# KiCad board demomatrix.kicad_pcb (continued)
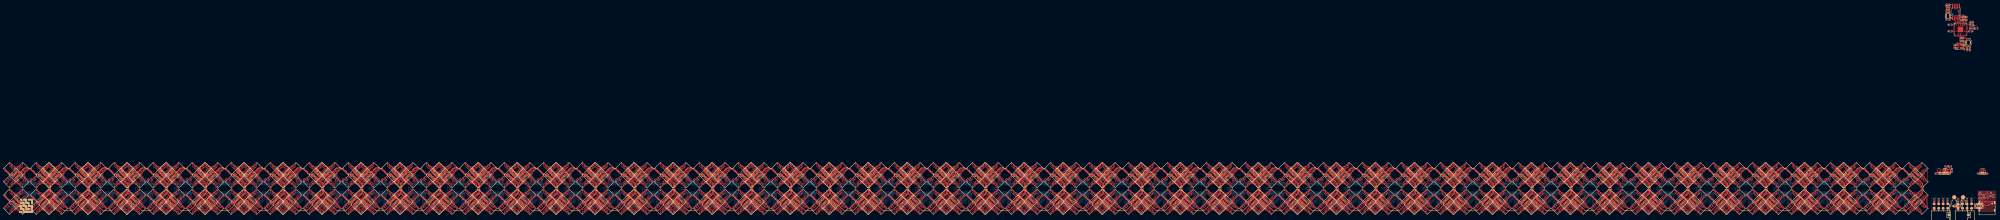
[diagram p0: board, top side]
## Routing (per net, layer and track width the routed paths; a pad name or vN(x,y) marks a point on that pad's centre or on a via; arc(x,y) is an arc through that point) (continued)
rgbs[2]-anodes-anode-128: length 9.5
  Top w0.2: LED274.3 -898.07,23.22 -898.42,23.22 -898.43,23.22 -899.07,23.22 -900.55,21.75 -900.55,21.5 -899.87,20.82 -899.87,20.36 -900.55,19.69 -900.55,19.44 -898.88,17.77 -898.26,17.77 LED275.4
rgbs[2]-anodes-anode-129: length 12.3
  Top w0.2: -897.51,17.12 -898.79,17.12 -900.95,19.28 -900.95,19.86 -900.27,20.53 -900.27,20.66 -900.95,21.33 -900.95,21.91 -898.78,24.08 -897.23,24.08 LED274.1
rgbs[2]-anodes-anode-130: length 3.7
  Top w0.2: LED275.6 -898.72,19.02 -898.72,20.02 -899.07,20.37 -899.07,20.81 -898.72,21.16 -898.72,22.18 LED274.5
rgbs[2]-anodes-anode-131: length 1.8
  Top w0.2: LED275.8 -899.47,19.96 -899.47,21.23 LED274.7
rgbs[2]-anodes-anode-132: length 9.5
  Top w0.2: LED278.3 -883.07,23.22 -883.42,23.22 -883.43,23.22 -884.07,23.22 -885.55,21.75 -885.55,21.5 -884.87,20.82 -884.87,20.36 -885.55,19.69 -885.55,19.44 -883.88,17.77 -883.26,17.77 LED279.4
rgbs[2]-anodes-anode-133: length 19.4
  Top w0.2: -882.51,17.12 -883.79,17.12 -885.95,19.28 -885.95,19.86 -885.27,20.53 -885.27,20.66 -885.95,21.33 -885.95,21.91 -883.78,24.08 -882.23,24.08 LED278.1 -881.73,23.58 -881.73,17.61 LED279.2
rgbs[2]-anodes-anode-134: length 3.7
  Top w0.2: LED278.5 -883.72,22.18 -883.72,21.16 -884.07,20.81 -884.07,20.37 -883.72,20.02 -883.72,19.02 LED279.6
rgbs[2]-anodes-anode-135: length 1.8
  Top w0.2: LED278.7 -884.47,21.23 -884.47,19.96 LED279.8
rgbs[2]-anodes-anode-136: length 9.5
  Top w0.2: LED283.4 -898.26,2.77 -898.88,2.77 -900.55,4.44 -900.55,4.69 -899.87,5.36 -899.87,5.82 -900.55,6.5 -900.55,6.75 -899.07,8.22 -898.43,8.22 -898.42,8.22 -898.07,8.22 LED282.3
rgbs[2]-anodes-anode-137: length 12.3
  Top w0.2: -897.51,2.12 -898.79,2.12 -900.95,4.28 -900.95,4.86 -900.27,5.53 -900.27,5.66 -900.95,6.33 -900.95,6.91 -898.78,9.08 -897.23,9.08 LED282.1
rgbs[2]-anodes-anode-138: length 3.7
  Top w0.2: LED283.6 -898.72,4.02 -898.72,5.02 -899.07,5.37 -899.07,5.81 -898.72,6.16 -898.72,7.18 LED282.5
rgbs[2]-anodes-anode-139: length 1.8
  Top w0.2: LED283.8 -899.47,4.96 -899.47,6.23 LED282.7
rgbs[2]-anodes-anode-140: length 14.9
  Top w0.2: -884.07,8.22 -883.43,8.22 -883.42,8.22 -883.07,8.22 LED286.3 -882.58,7.73 -882.58,3.46 LED287.4 -883.26,2.77 -883.88,2.77 -885.55,4.44 -885.55,4.69 -884.87,5.36 -884.87,5.82 -885.55,6.5 -885.55,6.75 -884.07,8.22
rgbs[2]-anodes-anode-141: length 19.4
  Top w0.2: LED287.2 -881.73,2.61 -881.73,8.58 LED286.1 -882.23,9.08 -883.78,9.08 -885.95,6.91 -885.95,6.33 -885.27,5.66 -885.27,5.53 -885.95,4.86 -885.95,4.28 -883.79,2.12 -882.51,2.12
rgbs[2]-anodes-anode-142: length 3.7
  Top w0.2: LED286.5 -883.72,7.18 -883.72,6.16 -884.07,5.81 -884.07,5.37 -883.72,5.02 -883.72,4.02 LED287.6
rgbs[2]-anodes-anode-143: length 1.8
  Top w0.2: LED286.7 -884.47,6.23 -884.47,4.96 LED287.8
rgbs[2]-anodes-anode-144: length 9.5
  Top w0.2: LED290.3 -876.07,23.22 -876.42,23.22 -876.43,23.22 -877.07,23.22 -878.55,21.75 -878.55,21.5 -877.87,20.82 -877.87,20.36 -878.55,19.69 -878.55,19.44 -876.88,17.77 -876.26,17.77 LED291.4
rgbs[2]-anodes-anode-145: length 12.3
  Top w0.2: LED290.1 -875.23,24.08 -876.78,24.08 -878.95,21.91 -878.95,21.33 -878.27,20.66 -878.27,20.53 -878.95,19.86 -878.95,19.28 -876.79,17.12 -875.51,17.12
rgbs[2]-anodes-anode-146: length 3.7
  Top w0.2: LED290.5 -876.72,22.18 -876.72,21.16 -877.07,20.81 -877.07,20.37 -876.72,20.02 -876.72,19.02 LED291.6
rgbs[2]-anodes-anode-147: length 1.8
  Top w0.2: LED291.8 -877.47,19.96 -877.47,21.23 LED290.7
rgbs[2]-anodes-anode-148: length 9.5
  Top w0.2: LED295.4 -861.26,17.77 -861.88,17.77 -863.55,19.44 -863.55,19.69 -862.87,20.36 -862.87,20.82 -863.55,21.5 -863.55,21.75 -862.07,23.22 -861.43,23.22 -861.42,23.22 -861.07,23.22 LED294.3
rgbs[2]-anodes-anode-149: length 19.4
  Top w0.2: -860.51,17.12 -861.79,17.12 -863.95,19.28 -863.95,19.86 -863.27,20.53 -863.27,20.66 -863.95,21.33 -863.95,21.91 -861.78,24.08 -860.23,24.08 LED294.1 -859.73,23.58 -859.73,17.61 LED295.2
rgbs[2]-anodes-anode-150: length 3.7
  Top w0.2: LED295.6 -861.72,19.02 -861.72,20.02 -862.07,20.37 -862.07,20.81 -861.72,21.16 -861.72,22.18 LED294.5
rgbs[2]-anodes-anode-151: length 1.8
  Top w0.2: LED294.7 -862.47,21.23 -862.47,19.96 LED295.8
rgbs[2]-anodes-anode-152: length 9.5
  Top w0.2: LED298.3 -876.07,8.22 -876.42,8.22 -876.43,8.22 -877.07,8.22 -878.55,6.75 -878.55,6.5 -877.87,5.82 -877.87,5.36 -878.55,4.69 -878.55,4.44 -876.88,2.77 -876.26,2.77 LED299.4
rgbs[2]-anodes-anode-153: length 12.3
  Top w0.2: -875.51,2.12 -876.79,2.12 -878.95,4.28 -878.95,4.86 -878.27,5.53 -878.27,5.66 -878.95,6.33 -878.95,6.91 -876.78,9.08 -875.23,9.08 LED298.1
rgbs[2]-anodes-anode-154: length 3.7
  Top w0.2: LED298.5 -876.72,7.18 -876.72,6.16 -877.07,5.81 -877.07,5.37 -876.72,5.02 -876.72,4.02 LED299.6
rgbs[2]-anodes-anode-155: length 1.8
  Top w0.2: LED298.7 -877.47,6.23 -877.47,4.96 LED299.8
rgbs[2]-anodes-anode-156: length 14.9
  Top w0.2: -863.55,4.69 -862.87,5.36 -862.87,5.82 -863.55,6.5 -863.55,6.75 -862.07,8.22 -861.43,8.22 -861.42,8.22 -861.07,8.22 LED302.3 -860.58,7.73 -860.58,3.46 LED303.4 -861.26,2.77 -861.88,2.77 -863.55,4.44 -863.55,4.69
rgbs[2]-anodes-anode-157: length 19.4
  Top w0.2: -860.51,2.12 -861.79,2.12 -863.95,4.28 -863.95,4.86 -863.27,5.53 -863.27,5.66 -863.95,6.33 -863.95,6.91 -861.78,9.08 -860.23,9.08 LED302.1 -859.73,8.58 -859.73,2.61 LED303.2
rgbs[2]-anodes-anode-158: length 3.7
  Top w0.2: LED302.5 -861.72,7.18 -861.72,6.16 -862.07,5.81 -862.07,5.37 -861.72,5.02 -861.72,4.02 LED303.6
rgbs[2]-anodes-anode-159: length 1.8
  Top w0.2: LED302.7 -862.47,6.23 -862.47,4.96 LED303.8
rgbs[2]-anodes-anode-160: length 9.5
  Top w0.2: LED306.3 -854.07,23.22 -854.42,23.22 -854.43,23.22 -855.07,23.22 -856.55,21.75 -856.55,21.5 -855.87,20.82 -855.87,20.36 -856.55,19.69 -856.55,19.44 -854.88,17.77 -854.26,17.77 LED307.4
rgbs[2]-anodes-anode-161: length 12.3
  Top w0.2: LED306.1 -853.23,24.08 -854.78,24.08 -856.95,21.91 -856.95,21.33 -856.27,20.66 -856.27,20.53 -856.95,19.86 -856.95,19.28 -854.79,17.12 -853.51,17.12
rgbs[2]-anodes-anode-162: length 3.7
  Top w0.2: LED307.6 -854.72,19.02 -854.72,20.02 -855.07,20.37 -855.07,20.81 -854.72,21.16 -854.72,22.18 LED306.5
rgbs[2]-anodes-anode-163: length 1.8
  Top w0.2: LED307.8 -855.47,19.96 -855.47,21.23 LED306.7
rgbs[2]-anodes-anode-164: length 9.5
  Top w0.2: LED311.4 -839.26,17.77 -839.88,17.77 -841.55,19.44 -841.55,19.69 -840.87,20.36 -840.87,20.82 -841.55,21.5 -841.55,21.75 -840.07,23.22 -839.43,23.22 -839.42,23.22 -839.07,23.22 LED310.3
rgbs[2]-anodes-anode-165: length 19.4
  Top w0.2: LED311.2 -837.73,17.61 -837.73,23.58 LED310.1 -838.23,24.08 -839.78,24.08 -841.95,21.91 -841.95,21.33 -841.27,20.66 -841.27,20.53 -841.95,19.86 -841.95,19.28 -839.79,17.12 -838.51,17.12
rgbs[2]-anodes-anode-166: length 3.7
  Top w0.2: LED311.6 -839.72,19.02 -839.72,20.02 -840.07,20.37 -840.07,20.81 -839.72,21.16 -839.72,22.18 LED310.5
rgbs[2]-anodes-anode-167: length 1.8
  Top w0.2: LED311.8 -840.47,19.96 -840.47,21.23 LED310.7
rgbs[2]-anodes-anode-168: length 9.5
  Top w0.2: LED314.3 -854.07,8.22 -854.42,8.22 -854.43,8.22 -855.07,8.22 -856.55,6.75 -856.55,6.5 -855.87,5.82 -855.87,5.36 -856.55,4.69 -856.55,4.44 -854.88,2.77 -854.26,2.77 LED315.4
rgbs[2]-anodes-anode-169: length 12.3
  Top w0.2: LED314.1 -853.23,9.08 -854.78,9.08 -856.95,6.91 -856.95,6.33 -856.27,5.66 -856.27,5.53 -856.95,4.86 -856.95,4.28 -854.79,2.12 -853.51,2.12
rgbs[2]-anodes-anode-170: length 3.7
  Top w0.2: LED315.6 -854.72,4.02 -854.72,5.02 -855.07,5.37 -855.07,5.81 -854.72,6.16 -854.72,7.18 LED314.5
rgbs[2]-anodes-anode-171: length 1.8
  Top w0.2: LED314.7 -855.47,6.23 -855.47,4.96 LED315.8
rgbs[2]-anodes-anode-172: length 14.9
  Top w0.2: -839.07,8.22 LED318.3 -838.58,7.73 -838.58,3.46 LED319.4 -839.26,2.77 -839.88,2.77 -841.55,4.44 -841.55,4.69 -840.87,5.36 -840.87,5.82 -841.55,6.5 -841.55,6.75 -840.07,8.22 -839.43,8.22 -839.42,8.22 -839.07,8.22
rgbs[2]-anodes-anode-173: length 19.4
  Top w0.2: -838.51,2.12 -839.79,2.12 -841.95,4.28 -841.95,4.86 -841.27,5.53 -841.27,5.66 -841.95,6.33 -841.95,6.91 -839.78,9.08 -838.23,9.08 LED318.1 -837.73,8.58 -837.73,2.61 LED319.2
rgbs[2]-anodes-anode-174: length 3.7
  Top w0.2: LED319.6 -839.72,4.02 -839.72,5.02 -840.07,5.37 -840.07,5.81 -839.72,6.16 -839.72,7.18 LED318.5
rgbs[2]-anodes-anode-175: length 1.8
  Top w0.2: LED319.8 -840.47,4.96 -840.47,6.23 LED318.7
rgbs[2]-anodes-anode-176: length 9.5
  Top w0.2: LED18.3 -832.07,23.22 -832.42,23.22 -832.43,23.22 -833.07,23.22 -834.55,21.75 -834.55,21.5 -833.87,20.82 -833.87,20.36 -834.55,19.69 -834.55,19.44 -832.88,17.77 -832.26,17.77 LED19.4
rgbs[2]-anodes-anode-177: length 12.3
  Top w0.2: -831.51,17.12 -832.79,17.12 -834.95,19.28 -834.95,19.86 -834.27,20.53 -834.27,20.66 -834.95,21.33 -834.95,21.91 -832.78,24.08 -831.23,24.08 LED18.1
rgbs[2]-anodes-anode-178: length 3.7
  Top w0.2: LED19.6 -832.72,19.02 -832.72,20.02 -833.07,20.37 -833.07,20.81 -832.72,21.16 -832.72,22.18 LED18.5
rgbs[2]-anodes-anode-179: length 1.8
  Top w0.2: LED19.8 -833.47,19.96 -833.47,21.23 LED18.7
rgbs[2]-anodes-anode-180: length 9.5
  Top w0.2: LED23.4 -817.26,17.77 -817.88,17.77 -819.55,19.44 -819.55,19.69 -818.87,20.36 -818.87,20.82 -819.55,21.5 -819.55,21.75 -818.07,23.22 -817.43,23.22 -817.42,23.22 -817.07,23.22 LED22.3
rgbs[2]-anodes-anode-181: length 19.4
  Top w0.2: LED23.2 -815.73,17.61 -815.73,23.58 LED22.1 -816.23,24.08 -817.78,24.08 -819.95,21.91 -819.95,21.33 -819.27,20.66 -819.27,20.53 -819.95,19.86 -819.95,19.28 -817.79,17.12 -816.51,17.12
rgbs[2]-anodes-anode-182: length 3.7
  Top w0.2: LED22.5 -817.72,22.18 -817.72,21.16 -818.07,20.81 -818.07,20.37 -817.72,20.02 -817.72,19.02 LED23.6
rgbs[2]-anodes-anode-183: length 1.8
  Top w0.2: LED23.8 -818.47,19.96 -818.47,21.23 LED22.7
rgbs[2]-anodes-anode-184: length 9.5
  Top w0.2: LED27.4 -832.26,2.77 -832.88,2.77 -834.55,4.44 -834.55,4.69 -833.87,5.36 -833.87,5.82 -834.55,6.5 -834.55,6.75 -833.07,8.22 -832.43,8.22 -832.42,8.22 -832.07,8.22 LED26.3
rgbs[2]-anodes-anode-185: length 12.3
  Top w0.2: -831.51,2.12 -832.79,2.12 -834.95,4.28 -834.95,4.86 -834.27,5.53 -834.27,5.66 -834.95,6.33 -834.95,6.91 -832.78,9.08 -831.23,9.08 LED26.1
rgbs[2]-anodes-anode-186: length 3.7
  Top w0.2: LED26.5 -832.72,7.18 -832.72,6.16 -833.07,5.81 -833.07,5.37 -832.72,5.02 -832.72,4.02 LED27.6
rgbs[2]-anodes-anode-187: length 1.8
  Top w0.2: LED26.7 -833.47,6.23 -833.47,4.96 LED27.8
rgbs[2]-anodes-anode-188: length 14.9
  Top w0.2: -818.07,8.22 -817.43,8.22 -817.42,8.22 -817.07,8.22 LED30.3 -816.58,7.73 -816.58,3.46 LED31.4 -817.26,2.77 -817.88,2.77 -819.55,4.44 -819.55,4.69 -818.87,5.36 -818.87,5.82 -819.55,6.5 -819.55,6.75 -818.07,8.22
rgbs[2]-anodes-anode-189: length 19.4
  Top w0.2: LED31.2 -815.73,2.61 -815.73,8.58 LED30.1 -816.23,9.08 -817.78,9.08 -819.95,6.91 -819.95,6.33 -819.27,5.66 -819.27,5.53 -819.95,4.86 -819.95,4.28 -817.79,2.12 -816.51,2.12
rgbs[2]-anodes-anode-190: length 3.7
  Top w0.2: LED30.5 -817.72,7.18 -817.72,6.16 -818.07,5.81 -818.07,5.37 -817.72,5.02 -817.72,4.02 LED31.6
rgbs[2]-anodes-anode-191: length 1.8
  Top w0.2: LED30.7 -818.47,6.23 -818.47,4.96 LED31.8
rgbs[2]-anodes-anode-192: length 9.5
  Top w0.2: LED322.3 -810.07,23.22 -810.42,23.22 -810.43,23.22 -811.07,23.22 -812.55,21.75 -812.55,21.5 -811.87,20.82 -811.87,20.36 -812.55,19.69 -812.55,19.44 -810.88,17.77 -810.26,17.77 LED323.4
rgbs[2]-anodes-anode-193: length 12.3
  Top w0.2: -809.51,17.12 -810.79,17.12 -812.95,19.28 -812.95,19.86 -812.27,20.53 -812.27,20.66 -812.95,21.33 -812.95,21.91 -810.78,24.08 -809.23,24.08 LED322.1
rgbs[2]-anodes-anode-194: length 3.7
  Top w0.2: LED322.5 -810.72,22.18 -810.72,21.16 -811.07,20.81 -811.07,20.37 -810.72,20.02 -810.72,19.02 LED323.6
rgbs[2]-anodes-anode-195: length 1.8
  Top w0.2: LED323.8 -811.47,19.96 -811.47,21.23 LED322.7
rgbs[2]-anodes-anode-196: length 9.5
  Top w0.2: LED326.3 -795.07,23.22 -795.42,23.22 -795.43,23.22 -796.07,23.22 -797.55,21.75 -797.55,21.5 -796.87,20.82 -796.87,20.36 -797.55,19.69 -797.55,19.44 -795.88,17.77 -795.26,17.77 LED327.4
rgbs[2]-anodes-anode-197: length 19.4
  Top w0.2: -794.51,17.12 -795.79,17.12 -797.95,19.28 -797.95,19.86 -797.27,20.53 -797.27,20.66 -797.95,21.33 -797.95,21.91 -795.78,24.08 -794.23,24.08 LED326.1 -793.73,23.58 -793.73,17.61 LED327.2
rgbs[2]-anodes-anode-198: length 3.7
  Top w0.2: LED326.5 -795.72,22.18 -795.72,21.16 -796.07,20.81 -796.07,20.37 -795.72,20.02 -795.72,19.02 LED327.6
rgbs[2]-anodes-anode-199: length 1.8
  Top w0.2: LED326.7 -796.47,21.23 -796.47,19.96 LED327.8
rgbs[2]-anodes-anode-200: length 9.5
  Top w0.2: LED330.3 -810.07,8.22 -810.42,8.22 -810.43,8.22 -811.07,8.22 -812.55,6.75 -812.55,6.5 -811.87,5.82 -811.87,5.36 -812.55,4.69 -812.55,4.44 -810.88,2.77 -810.26,2.77 LED331.4
rgbs[2]-anodes-anode-201: length 12.3
  Top w0.2: -809.51,2.12 -810.79,2.12 -812.95,4.28 -812.95,4.86 -812.27,5.53 -812.27,5.66 -812.95,6.33 -812.95,6.91 -810.78,9.08 -809.23,9.08 LED330.1
rgbs[2]-anodes-anode-202: length 3.7
  Top w0.2: LED330.5 -810.72,7.18 -810.72,6.16 -811.07,5.81 -811.07,5.37 -810.72,5.02 -810.72,4.02 LED331.6
rgbs[2]-anodes-anode-203: length 1.8
  Top w0.2: LED331.8 -811.47,4.96 -811.47,6.23 LED330.7
rgbs[2]-anodes-anode-204: length 14.9
  Top w0.2: -796.87,5.36 -796.87,5.82 -797.55,6.5 -797.55,6.75 -796.07,8.22 -795.43,8.22 -795.42,8.22 -795.07,8.22 LED334.3 -794.58,7.73 -794.58,3.46 LED335.4 -795.26,2.77 -795.88,2.77 -797.55,4.44 -797.55,4.69 -796.87,5.36
rgbs[2]-anodes-anode-205: length 19.4
  Top w0.2: -794.51,2.12 -795.79,2.12 -797.95,4.28 -797.95,4.86 -797.27,5.53 -797.27,5.66 -797.95,6.33 -797.95,6.91 -795.78,9.08 -794.23,9.08 LED334.1 -793.73,8.58 -793.73,2.61 LED335.2
rgbs[2]-anodes-anode-206: length 3.7
  Top w0.2: LED334.5 -795.72,7.18 -795.72,6.16 -796.07,5.81 -796.07,5.37 -795.72,5.02 -795.72,4.02 LED335.6
rgbs[2]-anodes-anode-207: length 1.8
  Top w0.2: LED334.7 -796.47,6.23 -796.47,4.96 LED335.8
rgbs[2]-anodes-anode-208: length 9.5
  Top w0.2: LED339.4 -788.26,17.77 -788.88,17.77 -790.55,19.44 -790.55,19.69 -789.87,20.36 -789.87,20.82 -790.55,21.5 -790.55,21.75 -789.07,23.22 -788.43,23.22 -788.42,23.22 -788.07,23.22 LED338.3
rgbs[2]-anodes-anode-209: length 12.3
  Top w0.2: -787.51,17.12 -788.79,17.12 -790.95,19.28 -790.95,19.86 -790.27,20.53 -790.27,20.66 -790.95,21.33 -790.95,21.91 -788.78,24.08 -787.23,24.08 LED338.1
rgbs[2]-anodes-anode-210: length 3.7
  Top w0.2: LED338.5 -788.72,22.18 -788.72,21.16 -789.07,20.81 -789.07,20.37 -788.72,20.02 -788.72,19.02 LED339.6
rgbs[2]-anodes-anode-211: length 1.8
  Top w0.2: LED338.7 -789.47,21.23 -789.47,19.96 LED339.8
rgbs[2]-anodes-anode-212: length 9.5
  Top w0.2: LED342.3 -773.07,23.22 -773.42,23.22 -773.43,23.22 -774.07,23.22 -775.55,21.75 -775.55,21.5 -774.87,20.82 -774.87,20.36 -775.55,19.69 -775.55,19.44 -773.88,17.77 -773.26,17.77 LED343.4
rgbs[2]-anodes-anode-213: length 19.4
  Top w0.2: -772.51,17.12 -773.79,17.12 -775.95,19.28 -775.95,19.86 -775.27,20.53 -775.27,20.66 -775.95,21.33 -775.95,21.91 -773.78,24.08 -772.23,24.08 LED342.1 -771.73,23.58 -771.73,17.61 LED343.2
rgbs[2]-anodes-anode-214: length 3.7
  Top w0.2: LED343.6 -773.72,19.02 -773.72,20.02 -774.07,20.37 -774.07,20.81 -773.72,21.16 -773.72,22.18 LED342.5
rgbs[2]-anodes-anode-215: length 1.8
  Top w0.2: LED342.7 -774.47,21.23 -774.47,19.96 LED343.8
rgbs[2]-anodes-anode-216: length 9.5
  Top w0.2: LED347.4 -788.26,2.77 -788.88,2.77 -790.55,4.44 -790.55,4.69 -789.87,5.36 -789.87,5.82 -790.55,6.5 -790.55,6.75 -789.07,8.22 -788.43,8.22 -788.42,8.22 -788.07,8.22 LED346.3
rgbs[2]-anodes-anode-217: length 12.3
  Top w0.2: -787.51,2.12 -788.79,2.12 -790.95,4.28 -790.95,4.86 -790.27,5.53 -790.27,5.66 -790.95,6.33 -790.95,6.91 -788.78,9.08 -787.23,9.08 LED346.1
rgbs[2]-anodes-anode-218: length 3.7
  Top w0.2: LED346.5 -788.72,7.18 -788.72,6.16 -789.07,5.81 -789.07,5.37 -788.72,5.02 -788.72,4.02 LED347.6
rgbs[2]-anodes-anode-219: length 1.8
  Top w0.2: LED347.8 -789.47,4.96 -789.47,6.23 LED346.7
rgbs[2]-anodes-anode-220: length 14.9
  Top w0.2: -773.07,8.22 LED350.3 -772.58,7.73 -772.58,3.46 LED351.4 -773.26,2.77 -773.88,2.77 -775.55,4.44 -775.55,4.69 -774.87,5.36 -774.87,5.82 -775.55,6.5 -775.55,6.75 -774.07,8.22 -773.43,8.22 -773.42,8.22 -773.07,8.22
rgbs[2]-anodes-anode-221: length 19.4
  Top w0.2: -772.51,2.12 -773.79,2.12 -775.95,4.28 -775.95,4.86 -775.27,5.53 -775.27,5.66 -775.95,6.33 -775.95,6.91 -773.78,9.08 -772.23,9.08 LED350.1 -771.73,8.58 -771.73,2.61 LED351.2
rgbs[2]-anodes-anode-222: length 3.7
  Top w0.2: LED350.5 -773.72,7.18 -773.72,6.16 -774.07,5.81 -774.07,5.37 -773.72,5.02 -773.72,4.02 LED351.6
rgbs[2]-anodes-anode-223: length 1.8
  Top w0.2: LED351.8 -774.47,4.96 -774.47,6.23 LED350.7
rgbs[2]-anodes-anode-224: length 9.5
  Top w0.2: LED355.4 -766.26,17.77 -766.88,17.77 -768.55,19.44 -768.55,19.69 -767.87,20.36 -767.87,20.82 -768.55,21.5 -768.55,21.75 -767.07,23.22 -766.43,23.22 -766.42,23.22 -766.07,23.22 LED354.3
rgbs[2]-anodes-anode-225: length 12.3
  Top w0.2: -765.51,17.12 -766.79,17.12 -768.95,19.28 -768.95,19.86 -768.27,20.53 -768.27,20.66 -768.95,21.33 -768.95,21.91 -766.78,24.08 -765.23,24.08 LED354.1
rgbs[2]-anodes-anode-226: length 3.7
  Top w0.2: LED355.6 -766.72,19.02 -766.72,20.02 -767.07,20.37 -767.07,20.81 -766.72,21.16 -766.72,22.18 LED354.5
rgbs[2]-anodes-anode-227: length 1.8
  Top w0.2: LED355.8 -767.47,19.96 -767.47,21.23 LED354.7
rgbs[2]-anodes-anode-228: length 9.5
  Top w0.2: LED358.3 -751.07,23.22 -751.42,23.22 -751.43,23.22 -752.07,23.22 -753.55,21.75 -753.55,21.5 -752.87,20.82 -752.87,20.36 -753.55,19.69 -753.55,19.44 -751.88,17.77 -751.26,17.77 LED359.4
rgbs[2]-anodes-anode-229: length 19.4
  Top w0.2: -750.51,17.12 -751.79,17.12 -753.95,19.28 -753.95,19.86 -753.27,20.53 -753.27,20.66 -753.95,21.33 -753.95,21.91 -751.78,24.08 -750.23,24.08 LED358.1 -749.73,23.58 -749.73,17.61 LED359.2
rgbs[2]-anodes-anode-230: length 3.7
  Top w0.2: LED359.6 -751.72,19.02 -751.72,20.02 -752.07,20.37 -752.07,20.81 -751.72,21.16 -751.72,22.18 LED358.5
rgbs[2]-anodes-anode-231: length 1.8
  Top w0.2: LED359.8 -752.47,19.96 -752.47,21.23 LED358.7
rgbs[2]-anodes-anode-232: length 9.5
  Top w0.2: LED363.4 -766.26,2.77 -766.88,2.77 -768.55,4.44 -768.55,4.69 -767.87,5.36 -767.87,5.82 -768.55,6.5 -768.55,6.75 -767.07,8.22 -766.43,8.22 -766.42,8.22 -766.07,8.22 LED362.3
rgbs[2]-anodes-anode-233: length 12.3
  Top w0.2: LED362.1 -765.23,9.08 -766.78,9.08 -768.95,6.91 -768.95,6.33 -768.27,5.66 -768.27,5.53 -768.95,4.86 -768.95,4.28 -766.79,2.12 -765.51,2.12
rgbs[2]-anodes-anode-234: length 3.7
  Top w0.2: LED363.6 -766.72,4.02 -766.72,5.02 -767.07,5.37 -767.07,5.81 -766.72,6.16 -766.72,7.18 LED362.5
rgbs[2]-anodes-anode-235: length 1.8
  Top w0.2: LED363.8 -767.47,4.96 -767.47,6.23 LED362.7
rgbs[2]-anodes-anode-236: length 14.9
  Top w0.2: LED366.3 -750.58,7.73 -750.58,3.46 LED367.4 -751.26,2.77 -751.88,2.77 -753.55,4.44 -753.55,4.69 -752.87,5.36 -752.87,5.82 -753.55,6.5 -753.55,6.75 -752.07,8.22 -751.43,8.22 -751.42,8.22 -751.07,8.22 LED366.3
rgbs[2]-anodes-anode-237: length 19.4
  Top w0.2: -750.51,2.12 -751.79,2.12 -753.95,4.28 -753.95,4.86 -753.27,5.53 -753.27,5.66 -753.95,6.33 -753.95,6.91 -751.78,9.08 -750.23,9.08 LED366.1 -749.73,8.58 -749.73,2.61 LED367.2
rgbs[2]-anodes-anode-238: length 3.7
  Top w0.2: LED367.6 -751.72,4.02 -751.72,5.02 -752.07,5.37 -752.07,5.81 -751.72,6.16 -751.72,7.18 LED366.5
rgbs[2]-anodes-anode-239: length 1.8
  Top w0.2: LED367.8 -752.47,4.96 -752.47,6.23 LED366.7
rgbs[2]-anodes-anode-240: length 9.5
  Top w0.2: LED370.3 -744.07,23.22 -744.42,23.22 -744.43,23.22 -745.07,23.22 -746.55,21.75 -746.55,21.5 -745.87,20.82 -745.87,20.36 -746.55,19.69 -746.55,19.44 -744.88,17.77 -744.26,17.77 LED371.4
rgbs[2]-anodes-anode-241: length 12.3
  Top w0.2: LED370.1 -743.23,24.08 -744.78,24.08 -746.95,21.91 -746.95,21.33 -746.27,20.66 -746.27,20.53 -746.95,19.86 -746.95,19.28 -744.79,17.12 -743.51,17.12
rgbs[2]-anodes-anode-242: length 3.7
  Top w0.2: LED371.6 -744.72,19.02 -744.72,20.02 -745.07,20.37 -745.07,20.81 -744.72,21.16 -744.72,22.18 LED370.5
rgbs[2]-anodes-anode-243: length 1.8
  Top w0.2: LED370.7 -745.47,21.23 -745.47,19.96 LED371.8
rgbs[2]-anodes-anode-244: length 9.5
  Top w0.2: LED375.4 -729.26,17.77 -729.88,17.77 -731.55,19.44 -731.55,19.69 -730.87,20.36 -730.87,20.82 -731.55,21.5 -731.55,21.75 -730.07,23.22 -729.43,23.22 -729.42,23.22 -729.07,23.22 LED374.3
rgbs[2]-anodes-anode-245: length 19.4
  Top w0.2: -728.51,17.12 -729.79,17.12 -731.95,19.28 -731.95,19.86 -731.27,20.53 -731.27,20.66 -731.95,21.33 -731.95,21.91 -729.78,24.08 -728.23,24.08 LED374.1 -727.73,23.58 -727.73,17.61 LED375.2
rgbs[2]-anodes-anode-246: length 3.7
  Top w0.2: LED375.6 -729.72,19.02 -729.72,20.02 -730.07,20.37 -730.07,20.81 -729.72,21.16 -729.72,22.18 LED374.5
rgbs[2]-anodes-anode-247: length 1.8
  Top w0.2: LED374.7 -730.47,21.23 -730.47,19.96 LED375.8
rgbs[2]-anodes-anode-248: length 9.5
  Top w0.2: LED378.3 -744.07,8.22 -744.42,8.22 -744.43,8.22 -745.07,8.22 -746.55,6.75 -746.55,6.5 -745.87,5.82 -745.87,5.36 -746.55,4.69 -746.55,4.44 -744.88,2.77 -744.26,2.77 LED379.4
rgbs[2]-anodes-anode-249: length 12.3
  Top w0.2: -743.51,2.12 -744.79,2.12 -746.95,4.28 -746.95,4.86 -746.27,5.53 -746.27,5.66 -746.95,6.33 -746.95,6.91 -744.78,9.08 -743.23,9.08 LED378.1
rgbs[2]-anodes-anode-250: length 3.7
  Top w0.2: LED379.6 -744.72,4.02 -744.72,5.02 -745.07,5.37 -745.07,5.81 -744.72,6.16 -744.72,7.18 LED378.5
rgbs[2]-anodes-anode-251: length 1.8
  Top w0.2: LED379.8 -745.47,4.96 -745.47,6.23 LED378.7
rgbs[2]-anodes-anode-252: length 14.9
  Top w0.2: -731.55,4.44 -731.55,4.69 -730.87,5.36 -730.87,5.82 -731.55,6.5 -731.55,6.75 -730.07,8.22 -729.43,8.22 -729.42,8.22 -729.07,8.22 LED382.3 -728.58,7.73 -728.58,3.46 LED383.4 -729.26,2.77 -729.88,2.77 -731.55,4.44
rgbs[2]-anodes-anode-253: length 19.4
  Top w0.2: LED383.2 -727.73,2.61 -727.73,8.58 LED382.1 -728.23,9.08 -729.78,9.08 -731.95,6.91 -731.95,6.33 -731.27,5.66 -731.27,5.53 -731.95,4.86 -731.95,4.28 -729.79,2.12 -728.51,2.12
rgbs[2]-anodes-anode-254: length 3.7
  Top w0.2: LED383.6 -729.72,4.02 -729.72,5.02 -730.07,5.37 -730.07,5.81 -729.72,6.16 -729.72,7.18 LED382.5
rgbs[2]-anodes-anode-255: length 1.8
  Top w0.2: LED382.7 -730.47,6.23 -730.47,4.96 LED383.8
rgbs[2]-anodes-anode-256: length 9.5
  Top w0.2: LED386.3 -722.07,23.22 -722.42,23.22 -722.43,23.22 -723.07,23.22 -724.55,21.75 -724.55,21.5 -723.87,20.82 -723.87,20.36 -724.55,19.69 -724.55,19.44 -722.88,17.77 -722.26,17.77 LED387.4
rgbs[2]-anodes-anode-257: length 12.3
  Top w0.2: LED386.1 -721.23,24.08 -722.78,24.08 -724.95,21.91 -724.95,21.33 -724.27,20.66 -724.27,20.53 -724.95,19.86 -724.95,19.28 -722.79,17.12 -721.51,17.12
rgbs[2]-anodes-anode-258: length 3.7
  Top w0.2: LED387.6 -722.72,19.02 -722.72,20.02 -723.07,20.37 -723.07,20.81 -722.72,21.16 -722.72,22.18 LED386.5
rgbs[2]-anodes-anode-259: length 1.8
  Top w0.2: LED386.7 -723.47,21.23 -723.47,19.96 LED387.8
rgbs[2]-anodes-anode-260: length 9.5
  Top w0.2: LED391.4 -707.26,17.77 -707.88,17.77 -709.55,19.44 -709.55,19.69 -708.87,20.36 -708.87,20.82 -709.55,21.5 -709.55,21.75 -708.07,23.22 -707.43,23.22 -707.42,23.22 -707.07,23.22 LED390.3
rgbs[2]-anodes-anode-261: length 19.4
  Top w0.2: -706.51,17.12 -707.79,17.12 -709.95,19.28 -709.95,19.86 -709.27,20.53 -709.27,20.66 -709.95,21.33 -709.95,21.91 -707.78,24.08 -706.23,24.08 LED390.1 -705.73,23.58 -705.73,17.61 LED391.2
rgbs[2]-anodes-anode-262: length 3.7
  Top w0.2: LED390.5 -707.72,22.18 -707.72,21.16 -708.07,20.81 -708.07,20.37 -707.72,20.02 -707.72,19.02 LED391.6
rgbs[2]-anodes-anode-263: length 1.8
  Top w0.2: LED391.8 -708.47,19.96 -708.47,21.23 LED390.7
rgbs[2]-anodes-anode-264: length 9.5
  Top w0.2: LED395.4 -722.26,2.77 -722.88,2.77 -724.55,4.44 -724.55,4.69 -723.87,5.36 -723.87,5.82 -724.55,6.5 -724.55,6.75 -723.07,8.22 -722.43,8.22 -722.42,8.22 -722.07,8.22 LED394.3
rgbs[2]-anodes-anode-265: length 12.3
  Top w0.2: -721.51,2.12 -722.79,2.12 -724.95,4.28 -724.95,4.86 -724.27,5.53 -724.27,5.66 -724.95,6.33 -724.95,6.91 -722.78,9.08 -721.23,9.08 LED394.1
rgbs[2]-anodes-anode-266: length 3.7
  Top w0.2: LED395.6 -722.72,4.02 -722.72,5.02 -723.07,5.37 -723.07,5.81 -722.72,6.16 -722.72,7.18 LED394.5
rgbs[2]-anodes-anode-267: length 1.8
  Top w0.2: LED394.7 -723.47,6.23 -723.47,4.96 LED395.8
rgbs[2]-anodes-anode-268: length 14.9
  Top w0.2: -707.07,8.22 LED398.3 -706.58,7.73 -706.58,3.46 LED399.4 -707.26,2.77 -707.88,2.77 -709.55,4.44 -709.55,4.69 -708.87,5.36 -708.87,5.82 -709.55,6.5 -709.55,6.75 -708.07,8.22 -707.43,8.22 -707.42,8.22 -707.07,8.22
rgbs[2]-anodes-anode-269: length 19.4
  Top w0.2: -706.51,2.12 -707.79,2.12 -709.95,4.28 -709.95,4.86 -709.27,5.53 -709.27,5.66 -709.95,6.33 -709.95,6.91 -707.78,9.08 -706.23,9.08 LED398.1 -705.73,8.58 -705.73,2.61 LED399.2
rgbs[2]-anodes-anode-270: length 3.7
  Top w0.2: LED399.6 -707.72,4.02 -707.72,5.02 -708.07,5.37 -708.07,5.81 -707.72,6.16 -707.72,7.18 LED398.5